# KiCad board woodpecker.kicad_pcb (continued)
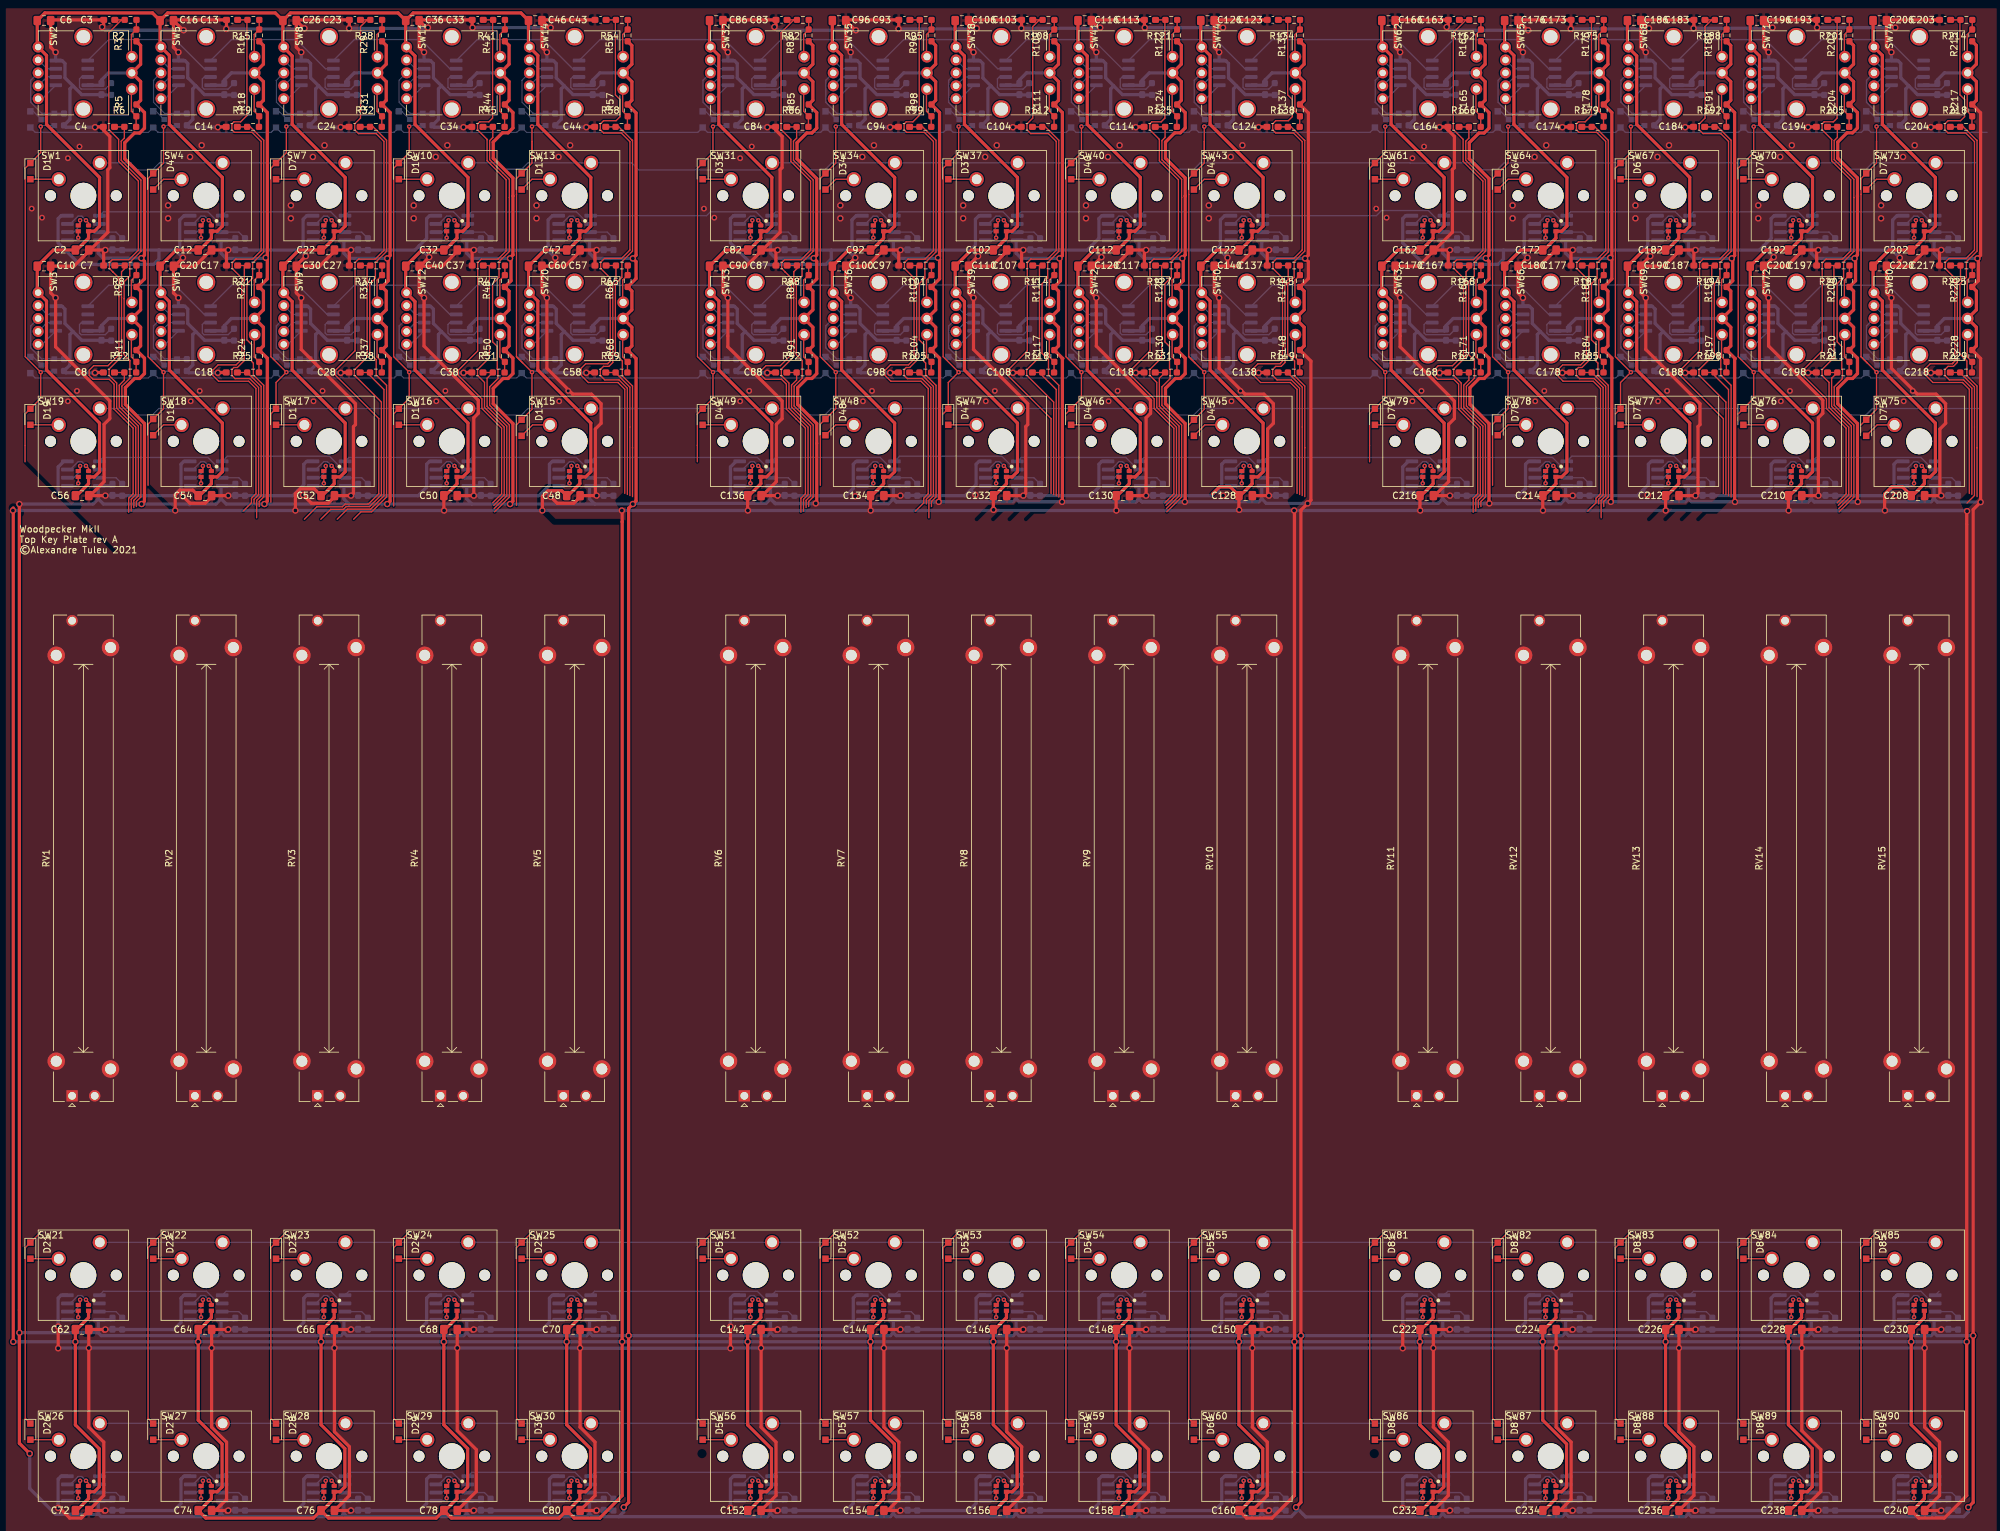
[diagram p0: board, top side]
## Placement (name value [footprint] x y rotation side) (continued)
SW64  Cherry_MX_LED  [SW_Cherry_MX_1.00u_PCB_SMD_LED]  235.2 203.4 0 top
SW65  PEL12T  [PEL12T-4xxxS-S1024]  235.2 222.4 90 top
SW66  PEL12T  [PEL12T-4xxxS-S1024]  235.2 184.4 90 top
SW67  Cherry_MX_LED  [SW_Cherry_MX_1.00u_PCB_SMD_LED]  254.2 203.4 0 top
SW68  PEL12T  [PEL12T-4xxxS-S1024]  254.2 222.4 90 top
SW69  PEL12T  [PEL12T-4xxxS-S1024]  254.2 184.4 90 top
SW70  Cherry_MX_LED  [SW_Cherry_MX_1.00u_PCB_SMD_LED]  273.2 203.4 0 top
SW71  PEL12T  [PEL12T-4xxxS-S1024]  273.2 222.4 90 top
SW72  PEL12T  [PEL12T-4xxxS-S1024]  273.2 184.4 90 top
SW73  Cherry_MX_LED  [SW_Cherry_MX_1.00u_PCB_SMD_LED]  292.2 203.4 0 top
SW74  PEL12T  [PEL12T-4xxxS-S1024]  292.2 222.4 90 top
SW75  Cherry_MX_LED  [SW_Cherry_MX_1.00u_PCB_SMD_LED]  292.2 165.4 0 top
SW76  Cherry_MX_LED  [SW_Cherry_MX_1.00u_PCB_SMD_LED]  273.2 165.4 0 top
SW77  Cherry_MX_LED  [SW_Cherry_MX_1.00u_PCB_SMD_LED]  254.2 165.4 0 top
SW78  Cherry_MX_LED  [SW_Cherry_MX_1.00u_PCB_SMD_LED]  235.2 165.4 0 top
SW79  Cherry_MX_LED  [SW_Cherry_MX_1.00u_PCB_SMD_LED]  216.2 165.4 0 top
SW80  PEL12T  [PEL12T-4xxxS-S1024]  292.2 184.4 90 top
SW81  Cherry_MX_LED  [SW_Cherry_MX_1.00u_PCB_SMD_LED]  216.2 36.4 0 top
SW82  Cherry_MX_LED  [SW_Cherry_MX_1.00u_PCB_SMD_LED]  235.2 36.4 0 top
SW83  Cherry_MX_LED  [SW_Cherry_MX_1.00u_PCB_SMD_LED]  254.2 36.4 0 top
SW84  Cherry_MX_LED  [SW_Cherry_MX_1.00u_PCB_SMD_LED]  273.2 36.4 0 top
SW85  Cherry_MX_LED  [SW_Cherry_MX_1.00u_PCB_SMD_LED]  292.2 36.4 0 top
SW86  Cherry_MX_LED  [SW_Cherry_MX_1.00u_PCB_SMD_LED]  216.2 8.4 0 top
SW87  Cherry_MX_LED  [SW_Cherry_MX_1.00u_PCB_SMD_LED]  235.2 8.4 0 top
SW88  Cherry_MX_LED  [SW_Cherry_MX_1.00u_PCB_SMD_LED]  254.2 8.4 0 top
SW89  Cherry_MX_LED  [SW_Cherry_MX_1.00u_PCB_SMD_LED]  273.2 8.4 0 top
SW90  Cherry_MX_LED  [SW_Cherry_MX_1.00u_PCB_SMD_LED]  292.2 8.4 0 top
U1  TLC5973  [SOIC-8_3.9x4.9mm_P1.27mm]  8.2 198.4 0 bottom
U2  TLC5973  [SOIC-8_3.9x4.9mm_P1.27mm]  6.4 222.4 0 bottom
U3  TLC5973  [SOIC-8_3.9x4.9mm_P1.27mm]  6.4 184.4 0 bottom
U4  TLC5973  [SOIC-8_3.9x4.9mm_P1.27mm]  27.2 198.4 0 bottom
U5  TLC5973  [SOIC-8_3.9x4.9mm_P1.27mm]  25.4 222.4 0 bottom
U6  TLC5973  [SOIC-8_3.9x4.9mm_P1.27mm]  25.4 184.4 0 bottom
U7  TLC5973  [SOIC-8_3.9x4.9mm_P1.27mm]  46.2 198.4 0 bottom
U8  TLC5973  [SOIC-8_3.9x4.9mm_P1.27mm]  44.4 222.4 0 bottom
U9  TLC5973  [SOIC-8_3.9x4.9mm_P1.27mm]  44.4 184.4 0 bottom
U10  TLC5973  [SOIC-8_3.9x4.9mm_P1.27mm]  65.2 198.4 0 bottom
U11  TLC5973  [SOIC-8_3.9x4.9mm_P1.27mm]  63.4 222.4 0 bottom
U12  TLC5973  [SOIC-8_3.9x4.9mm_P1.27mm]  63.4 184.4 0 bottom
U13  TLC5973  [SOIC-8_3.9x4.9mm_P1.27mm]  84.2 198.4 0 bottom
U14  TLC5973  [SOIC-8_3.9x4.9mm_P1.27mm]  82.4 222.4 0 bottom
U15  TLC5973  [SOIC-8_3.9x4.9mm_P1.27mm]  84.2 160.4 0 bottom
U16  TLC5973  [SOIC-8_3.9x4.9mm_P1.27mm]  65.2 160.4 0 bottom
U17  TLC5973  [SOIC-8_3.9x4.9mm_P1.27mm]  46.2 160.4 0 bottom
U18  TLC5973  [SOIC-8_3.9x4.9mm_P1.27mm]  27.2 160.4 0 bottom
U19  TLC5973  [SOIC-8_3.9x4.9mm_P1.27mm]  8.2 160.4 0 bottom
U20  TLC5973  [SOIC-8_3.9x4.9mm_P1.27mm]  82.4 184.4 0 bottom
U21  TLC5973  [SOIC-8_3.9x4.9mm_P1.27mm]  8.2 31.4 0 bottom
U22  TLC5973  [SOIC-8_3.9x4.9mm_P1.27mm]  27.2 31.4 0 bottom
U23  TLC5973  [SOIC-8_3.9x4.9mm_P1.27mm]  46.2 31.4 0 bottom
U24  TLC5973  [SOIC-8_3.9x4.9mm_P1.27mm]  65.2 31.4 0 bottom
U25  TLC5973  [SOIC-8_3.9x4.9mm_P1.27mm]  84.2 31.4 0 bottom
U26  TLC5973  [SOIC-8_3.9x4.9mm_P1.27mm]  8.2 3.4 0 bottom
U27  TLC5973  [SOIC-8_3.9x4.9mm_P1.27mm]  27.2 3.4 0 bottom
U28  TLC5973  [SOIC-8_3.9x4.9mm_P1.27mm]  46.2 3.4 0 bottom
U29  TLC5973  [SOIC-8_3.9x4.9mm_P1.27mm]  65.2 3.4 0 bottom
U30  TLC5973  [SOIC-8_3.9x4.9mm_P1.27mm]  84.2 3.4 0 bottom
U31  TLC5973  [SOIC-8_3.9x4.9mm_P1.27mm]  112.2 198.4 0 bottom
U32  TLC5973  [SOIC-8_3.9x4.9mm_P1.27mm]  110.4 222.4 0 bottom
U33  TLC5973  [SOIC-8_3.9x4.9mm_P1.27mm]  110.4 184.4 0 bottom
U34  TLC5973  [SOIC-8_3.9x4.9mm_P1.27mm]  131.2 198.4 0 bottom
U35  TLC5973  [SOIC-8_3.9x4.9mm_P1.27mm]  129.4 222.4 0 bottom
U36  TLC5973  [SOIC-8_3.9x4.9mm_P1.27mm]  129.4 184.4 0 bottom
U37  TLC5973  [SOIC-8_3.9x4.9mm_P1.27mm]  150.2 198.4 0 bottom
U38  TLC5973  [SOIC-8_3.9x4.9mm_P1.27mm]  148.4 222.4 0 bottom
U39  TLC5973  [SOIC-8_3.9x4.9mm_P1.27mm]  148.4 184.4 0 bottom
U40  TLC5973  [SOIC-8_3.9x4.9mm_P1.27mm]  169.2 198.4 0 bottom
U41  TLC5973  [SOIC-8_3.9x4.9mm_P1.27mm]  167.4 222.4 0 bottom
U42  TLC5973  [SOIC-8_3.9x4.9mm_P1.27mm]  167.4 184.4 0 bottom
U43  TLC5973  [SOIC-8_3.9x4.9mm_P1.27mm]  188.2 198.4 0 bottom
U44  TLC5973  [SOIC-8_3.9x4.9mm_P1.27mm]  186.4 222.4 0 bottom
U45  TLC5973  [SOIC-8_3.9x4.9mm_P1.27mm]  188.2 160.4 0 bottom
U46  TLC5973  [SOIC-8_3.9x4.9mm_P1.27mm]  169.2 160.4 0 bottom
U47  TLC5973  [SOIC-8_3.9x4.9mm_P1.27mm]  150.2 160.4 0 bottom
U48  TLC5973  [SOIC-8_3.9x4.9mm_P1.27mm]  131.2 160.4 0 bottom
U49  TLC5973  [SOIC-8_3.9x4.9mm_P1.27mm]  112.2 160.4 0 bottom
U50  TLC5973  [SOIC-8_3.9x4.9mm_P1.27mm]  186.4 184.4 0 bottom
U51  TLC5973  [SOIC-8_3.9x4.9mm_P1.27mm]  112.2 31.4 0 bottom
U52  TLC5973  [SOIC-8_3.9x4.9mm_P1.27mm]  131.2 31.4 0 bottom
U53  TLC5973  [SOIC-8_3.9x4.9mm_P1.27mm]  150.2 31.4 0 bottom
U54  TLC5973  [SOIC-8_3.9x4.9mm_P1.27mm]  169.2 31.4 0 bottom
U55  TLC5973  [SOIC-8_3.9x4.9mm_P1.27mm]  188.2 31.4 0 bottom
U56  TLC5973  [SOIC-8_3.9x4.9mm_P1.27mm]  112.2 3.4 0 bottom
U57  TLC5973  [SOIC-8_3.9x4.9mm_P1.27mm]  131.2 3.4 0 bottom
U58  TLC5973  [SOIC-8_3.9x4.9mm_P1.27mm]  150.2 3.4 0 bottom
U59  TLC5973  [SOIC-8_3.9x4.9mm_P1.27mm]  169.2 3.4 0 bottom
U60  TLC5973  [SOIC-8_3.9x4.9mm_P1.27mm]  188.2 3.4 0 bottom
U61  TLC5973  [SOIC-8_3.9x4.9mm_P1.27mm]  216.2 198.4 0 bottom
U62  TLC5973  [SOIC-8_3.9x4.9mm_P1.27mm]  214.4 222.4 0 bottom
U63  TLC5973  [SOIC-8_3.9x4.9mm_P1.27mm]  214.4 184.4 0 bottom
U64  TLC5973  [SOIC-8_3.9x4.9mm_P1.27mm]  235.2 198.4 0 bottom
U65  TLC5973  [SOIC-8_3.9x4.9mm_P1.27mm]  233.4 222.4 0 bottom
U66  TLC5973  [SOIC-8_3.9x4.9mm_P1.27mm]  233.4 184.4 0 bottom
U67  TLC5973  [SOIC-8_3.9x4.9mm_P1.27mm]  254.2 198.4 0 bottom
U68  TLC5973  [SOIC-8_3.9x4.9mm_P1.27mm]  252.4 222.4 0 bottom
U69  TLC5973  [SOIC-8_3.9x4.9mm_P1.27mm]  252.4 184.4 0 bottom
U70  TLC5973  [SOIC-8_3.9x4.9mm_P1.27mm]  273.2 198.4 0 bottom
U71  TLC5973  [SOIC-8_3.9x4.9mm_P1.27mm]  271.4 222.4 0 bottom
U72  TLC5973  [SOIC-8_3.9x4.9mm_P1.27mm]  271.4 184.4 0 bottom
U73  TLC5973  [SOIC-8_3.9x4.9mm_P1.27mm]  292.2 198.4 0 bottom
U74  TLC5973  [SOIC-8_3.9x4.9mm_P1.27mm]  290.4 222.4 0 bottom
U75  TLC5973  [SOIC-8_3.9x4.9mm_P1.27mm]  292.2 160.4 0 bottom
U76  TLC5973  [SOIC-8_3.9x4.9mm_P1.27mm]  273.2 160.4 0 bottom
U77  TLC5973  [SOIC-8_3.9x4.9mm_P1.27mm]  254.2 160.4 0 bottom
U78  TLC5973  [SOIC-8_3.9x4.9mm_P1.27mm]  235.2 160.4 0 bottom
U79  TLC5973  [SOIC-8_3.9x4.9mm_P1.27mm]  216.2 160.4 0 bottom
U80  TLC5973  [SOIC-8_3.9x4.9mm_P1.27mm]  290.4 184.4 0 bottom
U81  TLC5973  [SOIC-8_3.9x4.9mm_P1.27mm]  216.2 31.4 0 bottom
U82  TLC5973  [SOIC-8_3.9x4.9mm_P1.27mm]  235.2 31.4 0 bottom
U83  TLC5973  [SOIC-8_3.9x4.9mm_P1.27mm]  254.2 31.4 0 bottom
U84  TLC5973  [SOIC-8_3.9x4.9mm_P1.27mm]  273.2 31.4 0 bottom
U85  TLC5973  [SOIC-8_3.9x4.9mm_P1.27mm]  292.2 31.4 0 bottom
U86  TLC5973  [SOIC-8_3.9x4.9mm_P1.27mm]  216.2 3.4 0 bottom
U87  TLC5973  [SOIC-8_3.9x4.9mm_P1.27mm]  235.2 3.4 0 bottom
U88  TLC5973  [SOIC-8_3.9x4.9mm_P1.27mm]  254.2 3.4 0 bottom
U89  TLC5973  [SOIC-8_3.9x4.9mm_P1.27mm]  273.2 3.4 0 bottom
U90  TLC5973  [SOIC-8_3.9x4.9mm_P1.27mm]  292.2 3.4 0 bottom

## Footprints (pads in the part's own frame, mm; a bottom-side part is the same pattern mirrored in y, then rotated)
C_0603_1608Metric_Pad1.08x0.95mm_HandSolder
  rrect 1.075x0.95 smd: 1(-0.863,0) 2(0.863,0)
C_0805_2012Metric_Pad1.18x1.45mm_HandSolder
  rrect 1.175x1.45 smd: 1(-1.038,0) 2(1.038,0)
D_SOD-323_HandSoldering
  rect 1x1 smd: 1(-1.25,0) 2(1.25,0)
PEL12T-4xxxS-S1024
  oval 2.7x2.8 hole 2x2.1 unplated: (-5.6,0) (5.6,0)
  round 1.7 hole 1: 1(-4,7) 2(-2,7) 3(0,7) 4(2,7) 5(4,7)
  round 1.8 hole 1.1: A(-2.5,-7.5) B(2.5,-7.5) C(0,-7.5)
Potentiometer_Bourns_PTA6043_Single_Slide
  rect 1.75x1.75 hole 1.2: 1(-36.75,1.75)
  round 1.75 hole 1.2: 2(-36.75,-1.75) 3(36.75,1.75)
  round 2.7 hole 1.7: MP(-32.6,-4.2) MP(-31.4,4.2) MP(31.4,4.2) MP(32.6,-4.2)
R_0603_1608Metric_Pad0.98x0.95mm_HandSolder
  rrect 0.975x0.95 smd: 1(-0.912,0) 2(0.912,0)
SOIC-8_3.9x4.9mm_P1.27mm
  rrect 1.95x0.6 smd: 1(-2.475,1.905) 2(-2.475,0.635) 3(-2.475,-0.635) 4(-2.475,-1.905) 5(2.475,-1.905) 6(2.475,-0.635) 7(2.475,0.635) 8(2.475,1.905)
SOT-23
  rect 0.9x0.8 smd: 1(-1,0.95) 2(-1,-0.95) 3(1,0)
SW_Cherry_MX_1.00u_PCB_SMD_LED
  round 1.7 hole 1.7 unplated: (-5.08,0) (5.08,0)
  round 4 hole 4 unplated: (0,0)
  rrect 0.8x0.65 smd: 1(0.8,-4.6)
  rect 0.8x0.65 smd: 2(-0.8,-4.6) 3(0.8,-5.5) 4(-0.8,-5.5)
  round 2.2 hole 1.5: 5(2.54,5.08) 6(-3.81,2.54)

## Nets
+3.3VA: RV1.3 RV2.3 RV3.3 RV4.3 RV5.3
+3V3: C1.1 C5.1 C9.1 C11.1 C15.1 C19.1 C21.1 C25.1 C29.1 C31.1 C35.1 C39.1 C41.1 C45.1 C47.1 C49.1 C51.1 C53.1 C55.1 C59.1 C61.1 C63.1 C65.1 C67.1 C69.1 C71.1 C73.1 C75.1 C77.1 C79.1 C81.1 C85.1 C89.1 C91.1 C95.1 C99.1 C101.1 C105.1 C109.1 C111.1 C115.1 C119.1 C121.1 C125.1 C127.1 C129.1 C131.1 C133.1 C135.1 C139.1 C141.1 C143.1 C145.1 C147.1 C149.1 C151.1 C153.1 C155.1 C157.1 C159.1 C161.1 C165.1 C169.1 C171.1 C175.1 C179.1 C181.1 C185.1 C189.1 C191.1 C195.1 C199.1 C201.1 C205.1 C207.1 C209.1 C211.1 C213.1 C215.1 C219.1 C221.1 C223.1 C225.1 C227.1 C229.1 C231.1 C233.1 C235.1 C237.1 C239.1 R3.1 R5.1 R9.1 R11.1 R16.1 R18.1 R22.1 R24.1 R29.1 R31.1 R35.1 R37.1 R42.1 R44.1 R48.1 R50.1 R55.1 R57.1 R66.1 R68.1 R83.1 R85.1 R89.1 R91.1 R96.1 R98.1 R102.1 R104.1 R109.1 R111.1 R115.1 R117.1 R122.1 R124.1 R128.1 R130.1 R135.1 R137.1 R146.1 R148.1 R163.1 R165.1 R169.1 R171.1 R176.1 R178.1 R182.1 R184.1 R189.1 R191.1 R195.1 R197.1 R202.1 R204.1 R208.1 R210.1 R215.1 R217.1 R226.1 R228.1 SW2.C SW3.C SW5.C SW6.C SW8.C SW9.C SW11.C SW12.C SW14.C SW20.C SW32.C SW33.C SW35.C SW36.C SW38.C SW39.C SW41.C SW42.C SW44.C SW50.C SW62.C SW63.C SW65.C SW66.C SW68.C SW69.C SW71.C SW72.C SW74.C SW80.C U1.8 U2.8 U3.8 U4.8 U5.8 U6.8 U7.8 U8.8 U9.8 U10.8 U11.8 U12.8 U13.8 U14.8 U15.8 U16.8 U17.8 U18.8 U19.8 U20.8 U21.8 U22.8 U23.8 U24.8 U25.8 U26.8 U27.8 U28.8 U29.8 U30.8 U31.8 U32.8 U33.8 U34.8 U35.8 U36.8 U37.8 U38.8 U39.8 U40.8 U41.8 U42.8 U43.8 U44.8 U45.8 U46.8 U47.8 U48.8 U49.8 U50.8 U51.8 U52.8 U53.8 U54.8 U55.8 U56.8 U57.8 U58.8 U59.8 U60.8 U61.8 U62.8 U63.8 U64.8 U65.8 U66.8 U67.8 U68.8 U69.8 U70.8 U71.8 U72.8 U73.8 U74.8 U75.8 U76.8 U77.8 U78.8 U79.8 U80.8 U81.8 U82.8 U83.8 U84.8 U85.8 U86.8 U87.8 U88.8 U89.8 U90.8
GND: C1.2 C2.2 C3.2 C4.2 C5.2 C6.2 C7.2 C8.2 C9.2 C10.2 C11.2 C12.2 C13.2 C14.2 C15.2 C16.2 C17.2 C18.2 C19.2 C20.2 C21.2 C22.2 C23.2 C24.2 C25.2 C26.2 C27.2 C28.2 C29.2 C30.2 C31.2 C32.2 C33.2 C34.2 C35.2 C36.2 C37.2 C38.2 C39.2 C40.2 C41.2 C42.2 C43.2 C44.2 C45.2 C46.2 C47.2 C48.2 C49.2 C50.2 C51.2 C52.2 C53.2 C54.2 C55.2 C56.2 C57.2 C58.2 C59.2 C60.2 C61.2 C62.2 C63.2 C64.2 C65.2 C66.2 C67.2 C68.2 C69.2 C70.2 C71.2 C72.2 C73.2 C74.2 C75.2 C76.2 C77.2 C78.2 C79.2 C80.2 C81.2 C82.2 C83.2 C84.2 C85.2 C86.2 C87.2 C88.2 C89.2 C90.2 C91.2 C92.2 C93.2 C94.2 C95.2 C96.2 C97.2 C98.2 C99.2 C100.2 C101.2 C102.2 C103.2 C104.2 C105.2 C106.2 C107.2 C108.2 C109.2 C110.2 C111.2 C112.2 C113.2 C114.2 C115.2 C116.2 C117.2 C118.2 C119.2 C120.2 C121.2 C122.2 C123.2 C124.2 C125.2 C126.2 C127.2 C128.2 C129.2 C130.2 C131.2 C132.2 C133.2 C134.2 C135.2 C136.2 C137.2 C138.2 C139.2 C140.2 C141.2 C142.2 C143.2 C144.2 C145.2 C146.2 C147.2 C148.2 C149.2 C150.2 C151.2 C152.2 C153.2 C154.2 C155.2 C156.2 C157.2 C158.2 C159.2 C160.2 C161.2 C162.2 C163.2 C164.2 C165.2 C166.2 C167.2 C168.2 C169.2 C170.2 C171.2 C172.2 C173.2 C174.2 C175.2 C176.2 C177.2 C178.2 C179.2 C180.2 C181.2 C182.2 C183.2 C184.2 C185.2 C186.2 C187.2 C188.2 C189.2 C190.2 C191.2 C192.2 C193.2 C194.2 C195.2 C196.2 C197.2 C198.2 C199.2 C200.2 C201.2 C202.2 C203.2 C204.2 C205.2 C206.2 C207.2 C208.2 C209.2 C210.2 C211.2 C212.2 C213.2 C214.2 C215.2 C216.2 C217.2 C218.2 C219.2 C220.2 C221.2 C222.2 C223.2 C224.2 C225.2 C226.2 C227.2 C228.2 C229.2 C230.2 C231.2 C232.2 C233.2 C234.2 C235.2 C236.2 C237.2 C238.2 C239.2 C240.2 R1.2 R4.2 R7.2 R10.2 R13.2 R14.2 R17.2 R20.2 R23.2 R26.2 R27.2 R30.2 R33.2 R36.2 R39.2 R40.2 R43.2 R46.2 R49.2 R52.2 R53.2 R56.2 R59.2 R60.2 R61.2 R62.2 R63.2 R64.2 R67.2 R70.2 R71.2 R72.2 R73.2 R74.2 R75.2 R76.2 R77.2 R78.2 R79.2 R80.2 R81.2 R84.2 R87.2 R90.2 R93.2 R94.2 R97.2 R100.2 R103.2 R106.2 R107.2 R110.2 R113.2 R116.2 R119.2 R120.2 R123.2 R126.2 R129.2 R132.2 R133.2 R136.2 R139.2 R140.2 R141.2 R142.2 R143.2 R144.2 R147.2 R150.2 R151.2 R152.2 R153.2 R154.2 R155.2 R156.2 R157.2 R158.2 R159.2 R160.2 R161.2 R164.2 R167.2 R170.2 R173.2 R174.2 R177.2 R180.2 R183.2 R186.2 R187.2 R190.2 R193.2 R196.2 R199.2 R200.2 R203.2 R206.2 R209.2 R212.2 R213.2 R216.2 R219.2 R220.2 R221.2 R222.2 R223.2 R224.2 R227.2 R230.2 R231.2 R232.2 R233.2 R234.2 R235.2 R236.2 R237.2 R238.2 R239.2 R240.2 RV1.1 RV2.1 RV3.1 RV4.1 RV5.1 U1.4 U2.4 U3.4 U4.4 U5.4 U6.4 U7.4 U8.4 U9.4 U10.4 U11.4 U12.4 U13.4 U14.4 U15.4 U16.4 U17.4 U18.4 U19.4 U20.4 U21.4 U22.4 U23.4 U24.4 U25.4 U26.4 U27.4 U28.4 U29.4 U30.4 U31.4 U32.4 U33.4 U34.4 U35.4 U36.4 U37.4 U38.4 U39.4 U40.4 U41.4 U42.4 U43.4 U44.4 U45.4 U46.4 U47.4 U48.4 U49.4 U50.4 U51.4 U52.4 U53.4 U54.4 U55.4 U56.4 U57.4 U58.4 U59.4 U60.4 U61.4 U62.4 U63.4 U64.4 U65.4 U66.4 U67.4 U68.4 U69.4 U70.4 U71.4 U72.4 U73.4 U74.4 U75.4 U76.4 U77.4 U78.4 U79.4 U80.4 U81.4 U82.4 U83.4 U84.4 U85.4 U86.4 U87.4 U88.4 U89.4 U90.4
/BottomSection_1/C1: D1.1 D19.1 D21.1 D26.1 Q1.2 Q2.2
/BottomSection_1/C2: D4.1 D18.1 D22.1 D27.1 Q3.2 Q4.2
/BottomSection_1/C3: D7.1 D17.1 D23.1 D28.1 Q5.2 Q6.2
/BottomSection_1/C4: D10.1 D16.1 D24.1 D29.1 Q7.2 Q8.2
/BottomSection_1/C5: D13.1 D15.1 D25.1 D30.1 Q9.2 Q10.2
/BottomSection_1/MX_B_2/DI: U21.5 U22.6
/BottomSection_1/MX_B_3/DI: U22.5 U23.6
/BottomSection_1/MX_B_4/DI: U23.5 U24.6
/BottomSection_1/MX_B_5/DI: U24.5 U25.6
/BottomSection_1/MX_B_7/DI: U26.5 U27.6
/BottomSection_1/MX_B_8/DI: U27.5 U28.6
/BottomSection_1/MX_B_9/DI: U28.5 U29.6
/BottomSection_1/MX_B_10/DI: U29.5 U30.6
/BottomSection_1/R5: SW21.5 SW22.5 SW23.5 SW24.5 SW25.5 SW51.5 SW52.5 SW53.5 SW54.5 SW55.5 SW81.5 SW82.5 SW83.5 SW84.5 SW85.5
/BottomSection_1/R6: SW26.5 SW27.5 SW28.5 SW29.5 SW30.5 SW56.5 SW57.5 SW58.5 SW59.5 SW60.5 SW86.5 SW87.5 SW88.5 SW89.5 SW90.5
/BottomSection_2/C1: D31.1 D49.1 D51.1 D56.1 Q11.2 Q12.2
/BottomSection_2/C2: D34.1 D48.1 D52.1 D57.1 Q13.2 Q14.2
/BottomSection_2/C3: D37.1 D47.1 D53.1 D58.1 Q15.2 Q16.2
/BottomSection_2/C4: D40.1 D46.1 D54.1 D59.1 Q17.2 Q18.2
/BottomSection_2/C5: D43.1 D45.1 D55.1 D60.1 Q19.2 Q20.2
/BottomSection_2/DI5: U25.5 U51.6
/BottomSection_2/DI6: U30.5 U56.6
/BottomSection_2/MX_B_2/DI: U51.5 U52.6
/BottomSection_2/MX_B_3/DI: U52.5 U53.6
/BottomSection_2/MX_B_4/DI: U53.5 U54.6
/BottomSection_2/MX_B_5/DI: U54.5 U55.6
/BottomSection_2/MX_B_7/DI: U56.5 U57.6
/BottomSection_2/MX_B_8/DI: U57.5 U58.6
/BottomSection_2/MX_B_9/DI: U58.5 U59.6
/BottomSection_2/MX_B_10/DI: U59.5 U60.6
/BottomSection_3/C1: D61.1 D79.1 D81.1 D86.1 Q21.2 Q22.2
/BottomSection_3/C2: D64.1 D78.1 D82.1 D87.1 Q23.2 Q24.2
/BottomSection_3/C3: D67.1 D77.1 D83.1 D88.1 Q25.2 Q26.2
/BottomSection_3/C4: D70.1 D76.1 D84.1 D89.1 Q27.2 Q28.2
/BottomSection_3/C5: D73.1 D75.1 D85.1 D90.1 Q29.2 Q30.2
/BottomSection_3/DI5: U55.5 U81.6
/BottomSection_3/DI6: U60.5 U86.6
/BottomSection_3/MX_B_2/DI: U81.5 U82.6
/BottomSection_3/MX_B_3/DI: U82.5 U83.6
/BottomSection_3/MX_B_4/DI: U83.5 U84.6
/BottomSection_3/MX_B_5/DI: U84.5 U85.6
/BottomSection_3/MX_B_7/DI: U86.5 U87.6
/BottomSection_3/MX_B_8/DI: U87.5 U88.6
/BottomSection_3/MX_B_9/DI: U88.5 U89.6
/BottomSection_3/MX_B_10/DI: U89.5 U90.6
/TopSection_1/MX_2/DI: U1.5 U4.6
/TopSection_1/MX_3/DI: U4.5 U7.6
/TopSection_1/MX_4/DI: U7.5 U10.6
/TopSection_1/MX_5/DI: U10.5 U13.6
/TopSection_1/MX_7/DI: U18.6 U19.5
/TopSection_1/MX_8/DI: U17.6 U18.5
/TopSection_1/MX_9/DI: U16.6 U17.5
/TopSection_1/MX_10/DI: U15.6 U16.5
/TopSection_1/PEL12T_2/DI: U2.5 U5.6
/TopSection_1/PEL12T_3/DI: U5.5 U8.6
/TopSection_1/PEL12T_4/DI: U8.5 U11.6
/TopSection_1/PEL12T_5/DI: U11.5 U14.6
/TopSection_1/PEL12T_7/DI: U3.5 U6.6
/TopSection_1/PEL12T_8/DI: U6.5 U9.6
/TopSection_1/PEL12T_9/DI: U9.5 U12.6
/TopSection_1/PEL12T_10/DI: U12.5 U20.6
/TopSection_1/QA1: C4.1 R6.1
/TopSection_1/QA2: C14.1 R19.1
/TopSection_1/QA3: C24.1 R32.1
/TopSection_1/QA4: C34.1 R45.1
/TopSection_1/QA5: C44.1 R58.1
/TopSection_1/QA6: C8.1 R12.1
/TopSection_1/QA7: C18.1 R25.1
/TopSection_1/QA8: C28.1 R38.1
/TopSection_1/QA9: C38.1 R51.1
/TopSection_1/QA10: C58.1 R69.1
/TopSection_1/QB1: C3.1 R2.2
/TopSection_1/QB2: C13.1 R15.2
/TopSection_1/QB3: C23.1 R28.2
/TopSection_1/QB4: C33.1 R41.2
/TopSection_1/QB5: C43.1 R54.2
/TopSection_1/QB6: C7.1 R8.2
/TopSection_1/QB7: C17.1 R21.2
/TopSection_1/QB8: C27.1 R34.2
/TopSection_1/QB9: C37.1 R47.2
/TopSection_1/QB10: C57.1 R65.2
/TopSection_1/R1: D2.2 D5.2 D8.2 D11.2 D14.2 D32.2 D35.2 D38.2 D41.2 D44.2 D62.2 D65.2 D68.2 D71.2 D74.2
/TopSection_1/R2: SW1.5 SW4.5 SW7.5 SW10.5 SW13.5 SW31.5 SW34.5 SW37.5 SW40.5 SW43.5 SW61.5 SW64.5 SW67.5 SW70.5 SW73.5
/TopSection_1/R3: D3.2 D6.2 D9.2 D12.2 D20.2 D33.2 D36.2 D39.2 D42.2 D50.2 D63.2 D66.2 D69.2 D72.2 D80.2
/TopSection_1/R4: SW15.5 SW16.5 SW17.5 SW18.5 SW19.5 SW45.5 SW46.5 SW47.5 SW48.5 SW49.5 SW75.5 SW76.5 SW77.5 SW78.5 SW79.5
/TopSection_2/DI1: U14.5 U32.6
/TopSection_2/DI2: U13.5 U31.6
/TopSection_2/DI3: U20.5 U33.6
/TopSection_2/DI4: U15.5 U49.6
/TopSection_2/MX_2/DI: U31.5 U34.6
/TopSection_2/MX_3/DI: U34.5 U37.6
/TopSection_2/MX_4/DI: U37.5 U40.6
/TopSection_2/MX_5/DI: U40.5 U43.6
/TopSection_2/MX_7/DI: U48.6 U49.5
/TopSection_2/MX_8/DI: U47.6 U48.5
/TopSection_2/MX_9/DI: U46.6 U47.5
/TopSection_2/MX_10/DI: U45.6 U46.5
/TopSection_2/PEL12T_2/DI: U32.5 U35.6
/TopSection_2/PEL12T_3/DI: U35.5 U38.6
/TopSection_2/PEL12T_4/DI: U38.5 U41.6
/TopSection_2/PEL12T_5/DI: U41.5 U44.6
/TopSection_2/PEL12T_7/DI: U33.5 U36.6
/TopSection_2/PEL12T_8/DI: U36.5 U39.6
/TopSection_2/PEL12T_9/DI: U39.5 U42.6
/TopSection_2/PEL12T_10/DI: U42.5 U50.6
/TopSection_2/QA1: C84.1 R86.1
/TopSection_2/QA2: C94.1 R99.1
/TopSection_2/QA3: C104.1 R112.1
/TopSection_2/QA4: C114.1 R125.1
/TopSection_2/QA5: C124.1 R138.1
/TopSection_2/QA6: C88.1 R92.1
/TopSection_2/QA7: C98.1 R105.1
/TopSection_2/QA8: C108.1 R118.1
/TopSection_2/QA9: C118.1 R131.1
/TopSection_2/QA10: C138.1 R149.1
/TopSection_2/QB1: C83.1 R82.2
/TopSection_2/QB2: C93.1 R95.2
/TopSection_2/QB3: C103.1 R108.2
/TopSection_2/QB4: C113.1 R121.2
/TopSection_2/QB5: C123.1 R134.2
/TopSection_2/QB6: C87.1 R88.2
/TopSection_2/QB7: C97.1 R101.2
/TopSection_2/QB8: C107.1 R114.2
/TopSection_2/QB9: C117.1 R127.2
/TopSection_2/QB10: C137.1 R145.2
/TopSection_3/DI1: U44.5 U62.6
/TopSection_3/DI2: U43.5 U61.6
/TopSection_3/DI3: U50.5 U63.6
/TopSection_3/DI4: U45.5 U79.6
/TopSection_3/MX_2/DI: U61.5 U64.6
/TopSection_3/MX_3/DI: U64.5 U67.6
/TopSection_3/MX_4/DI: U67.5 U70.6
/TopSection_3/MX_5/DI: U70.5 U73.6
/TopSection_3/MX_7/DI: U78.6 U79.5
/TopSection_3/MX_8/DI: U77.6 U78.5
/TopSection_3/MX_9/DI: U76.6 U77.5
/TopSection_3/MX_10/DI: U75.6 U76.5
/TopSection_3/PEL12T_2/DI: U62.5 U65.6
/TopSection_3/PEL12T_3/DI: U65.5 U68.6
/TopSection_3/PEL12T_4/DI: U68.5 U71.6
/TopSection_3/PEL12T_5/DI: U71.5 U74.6
/TopSection_3/PEL12T_7/DI: U63.5 U66.6
/TopSection_3/PEL12T_8/DI: U66.5 U69.6
/TopSection_3/PEL12T_9/DI: U69.5 U72.6
/TopSection_3/PEL12T_10/DI: U72.5 U80.6
/TopSection_3/QA1: C164.1 R166.1
/TopSection_3/QA2: C174.1 R179.1
/TopSection_3/QA3: C184.1 R192.1
/TopSection_3/QA4: C194.1 R205.1
/TopSection_3/QA5: C204.1 R218.1
/TopSection_3/QA6: C168.1 R172.1
/TopSection_3/QA7: C178.1 R185.1
/TopSection_3/QA8: C188.1 R198.1
/TopSection_3/QA9: C198.1 R211.1
/TopSection_3/QA10: C218.1 R229.1
/TopSection_3/QB1: C163.1 R162.2
/TopSection_3/QB2: C173.1 R175.2
/TopSection_3/QB3: C183.1 R188.2
/TopSection_3/QB4: C193.1 R201.2
/TopSection_3/QB5: C203.1 R214.2
/TopSection_3/QB6: C167.1 R168.2
/TopSection_3/QB7: C177.1 R181.2
/TopSection_3/QB8: C187.1 R194.2
/TopSection_3/QB9: C197.1 R207.2
/TopSection_3/QB10: C217.1 R225.2
VLED: C2.1 C6.1 C10.1 C12.1 C16.1 C20.1 C22.1 C26.1 C30.1 C32.1 C36.1 C40.1 C42.1 C46.1 C48.1 C50.1 C52.1 C54.1 C56.1 C60.1 C62.1 C64.1 C66.1 C68.1 C70.1 C72.1 C74.1 C76.1 C78.1 C80.1 C82.1 C86.1 C90.1 C92.1 C96.1 C100.1 C102.1 C106.1 C110.1 C112.1 C116.1 C120.1 C122.1 C126.1 C128.1 C130.1 C132.1 C134.1 C136.1 C140.1 C142.1 C144.1 C146.1 C148.1 C150.1 C152.1 C154.1 C156.1 C158.1 C160.1 C162.1 C166.1 C170.1 C172.1 C176.1 C180.1 C182.1 C186.1 C190.1 C192.1 C196.1 C200.1 C202.1 C206.1 C208.1 C210.1 C212.1 C214.1 C216.1 C220.1 C222.1 C224.1 C226.1 C228.1 C230.1 C232.1 C234.1 C236.1 C238.1 C240.1 SW1.3 SW2.5 SW3.5 SW4.3 SW5.5 SW6.5 SW7.3 SW8.5 SW9.5 SW10.3 SW11.5 SW12.5 SW13.3 SW14.5 SW15.3 SW16.3 SW17.3 SW18.3 SW19.3 SW20.5 SW21.3 SW22.3 SW23.3 SW24.3 SW25.3 SW26.3 SW27.3 SW28.3 SW29.3 SW30.3 SW31.3 SW32.5 SW33.5 SW34.3 SW35.5 SW36.5 SW37.3 SW38.5 SW39.5 SW40.3 SW41.5 SW42.5 SW43.3 SW44.5 SW45.3 SW46.3 SW47.3 SW48.3 SW49.3 SW50.5 SW51.3 SW52.3 SW53.3 SW54.3 SW55.3 SW56.3 SW57.3 SW58.3 SW59.3 SW60.3 SW61.3 SW62.5 SW63.5 SW64.3 SW65.5 SW66.5 SW67.3 SW68.5 SW69.5 SW70.3 SW71.5 SW72.5 SW73.3 SW74.5 SW75.3 SW76.3 SW77.3 SW78.3 SW79.3 SW80.5 SW81.3 SW82.3 SW83.3 SW84.3 SW85.3 SW86.3 SW87.3 SW88.3 SW89.3 SW90.3
Net-(D1-Pad2): D1.2 SW1.6
Net-(D2-Pad1): D2.1 Q1.3
Net-(D3-Pad1): D3.1 Q2.3
Net-(D4-Pad2): D4.2 SW4.6
Net-(D5-Pad1): D5.1 Q3.3
Net-(D6-Pad1): D6.1 Q4.3
Net-(D7-Pad2): D7.2 SW7.6
Net-(D8-Pad1): D8.1 Q5.3
Net-(D9-Pad1): D9.1 Q6.3
Net-(D10-Pad2): D10.2 SW10.6
Net-(D11-Pad1): D11.1 Q7.3
Net-(D12-Pad1): D12.1 Q8.3
Net-(D13-Pad2): D13.2 SW13.6
Net-(D14-Pad1): D14.1 Q9.3
Net-(D15-Pad2): D15.2 SW15.6
Net-(D16-Pad2): D16.2 SW16.6
Net-(D17-Pad2): D17.2 SW17.6
Net-(D18-Pad2): D18.2 SW18.6
Net-(D19-Pad2): D19.2 SW19.6
Net-(D20-Pad1): D20.1 Q10.3
Net-(D21-Pad2): D21.2 SW21.6
Net-(D22-Pad2): D22.2 SW22.6
Net-(D23-Pad2): D23.2 SW23.6
Net-(D24-Pad2): D24.2 SW24.6
Net-(D25-Pad2): D25.2 SW25.6
Net-(D26-Pad2): D26.2 SW26.6
Net-(D27-Pad2): D27.2 SW27.6
Net-(D28-Pad2): D28.2 SW28.6
Net-(D29-Pad2): D29.2 SW29.6
Net-(D30-Pad2): D30.2 SW30.6
Net-(D31-Pad2): D31.2 SW31.6
Net-(D32-Pad1): D32.1 Q11.3
Net-(D33-Pad1): D33.1 Q12.3
Net-(D34-Pad2): D34.2 SW34.6
Net-(D35-Pad1): D35.1 Q13.3
Net-(D36-Pad1): D36.1 Q14.3
Net-(D37-Pad2): D37.2 SW37.6
Net-(D38-Pad1): D38.1 Q15.3
Net-(D39-Pad1): D39.1 Q16.3
Net-(D40-Pad2): D40.2 SW40.6
Net-(D41-Pad1): D41.1 Q17.3
Net-(D42-Pad1): D42.1 Q18.3
Net-(D43-Pad2): D43.2 SW43.6
Net-(D44-Pad1): D44.1 Q19.3
Net-(D45-Pad2): D45.2 SW45.6
Net-(D46-Pad2): D46.2 SW46.6
Net-(D47-Pad2): D47.2 SW47.6
Net-(D48-Pad2): D48.2 SW48.6
Net-(D49-Pad2): D49.2 SW49.6
Net-(D50-Pad1): D50.1 Q20.3
Net-(D51-Pad2): D51.2 SW51.6
Net-(D52-Pad2): D52.2 SW52.6
Net-(D53-Pad2): D53.2 SW53.6
Net-(D54-Pad2): D54.2 SW54.6
Net-(D55-Pad2): D55.2 SW55.6
Net-(D56-Pad2): D56.2 SW56.6
Net-(D57-Pad2): D57.2 SW57.6
Net-(D58-Pad2): D58.2 SW58.6
Net-(D59-Pad2): D59.2 SW59.6
Net-(D60-Pad2): D60.2 SW60.6
Net-(D61-Pad2): D61.2 SW61.6
Net-(D62-Pad1): D62.1 Q21.3
Net-(D63-Pad1): D63.1 Q22.3
Net-(D64-Pad2): D64.2 SW64.6
Net-(D65-Pad1): D65.1 Q23.3
Net-(D66-Pad1): D66.1 Q24.3
Net-(D67-Pad2): D67.2 SW67.6
Net-(D68-Pad1): D68.1 Q25.3
Net-(D69-Pad1): D69.1 Q26.3
Net-(D70-Pad2): D70.2 SW70.6
Net-(D71-Pad1): D71.1 Q27.3
Net-(D72-Pad1): D72.1 Q28.3
Net-(D73-Pad2): D73.2 SW73.6
Net-(D74-Pad1): D74.1 Q29.3
Net-(D75-Pad2): D75.2 SW75.6
Net-(D76-Pad2): D76.2 SW76.6
Net-(D77-Pad2): D77.2 SW77.6
Net-(D78-Pad2): D78.2 SW78.6
Net-(D79-Pad2): D79.2 SW79.6
Net-(D80-Pad1): D80.1 Q30.3
Net-(D81-Pad2): D81.2 SW81.6
Net-(D82-Pad2): D82.2 SW82.6
Net-(D83-Pad2): D83.2 SW83.6
Net-(D84-Pad2): D84.2 SW84.6
Net-(D85-Pad2): D85.2 SW85.6
Net-(D86-Pad2): D86.2 SW86.6
Net-(D87-Pad2): D87.2 SW87.6
Net-(D88-Pad2): D88.2 SW88.6
Net-(D89-Pad2): D89.2 SW89.6
Net-(D90-Pad2): D90.2 SW90.6
Net-(Q1-Pad1): Q1.1 R7.1 SW2.3
Net-(Q2-Pad1): Q2.1 R13.1 SW3.3
Net-(Q3-Pad1): Q3.1 R20.1 SW5.3
Net-(Q4-Pad1): Q4.1 R26.1 SW6.3
Net-(Q5-Pad1): Q5.1 R33.1 SW8.3
Net-(Q6-Pad1): Q6.1 R39.1 SW9.3
Net-(Q7-Pad1): Q7.1 R46.1 SW11.3
Net-(Q8-Pad1): Q8.1 R52.1 SW12.3
Net-(Q9-Pad1): Q9.1 R59.1 SW14.3
Net-(Q10-Pad1): Q10.1 R70.1 SW20.3
Net-(Q11-Pad1): Q11.1 R87.1 SW32.3
Net-(Q12-Pad1): Q12.1 R93.1 SW33.3
Net-(Q13-Pad1): Q13.1 R100.1 SW35.3
Net-(Q14-Pad1): Q14.1 R106.1 SW36.3
Net-(Q15-Pad1): Q15.1 R113.1 SW38.3
Net-(Q16-Pad1): Q16.1 R119.1 SW39.3
Net-(Q17-Pad1): Q17.1 R126.1 SW41.3
Net-(Q18-Pad1): Q18.1 R132.1 SW42.3
Net-(Q19-Pad1): Q19.1 R139.1 SW44.3
Net-(Q20-Pad1): Q20.1 R150.1 SW50.3
Net-(Q21-Pad1): Q21.1 R167.1 SW62.3
Net-(Q22-Pad1): Q22.1 R173.1 SW63.3
Net-(Q23-Pad1): Q23.1 R180.1 SW65.3
Net-(Q24-Pad1): Q24.1 R186.1 SW66.3
Net-(Q25-Pad1): Q25.1 R193.1 SW68.3
Net-(Q26-Pad1): Q26.1 R199.1 SW69.3
Net-(Q27-Pad1): Q27.1 R206.1 SW71.3
Net-(Q28-Pad1): Q28.1 R212.1 SW72.3
Net-(Q29-Pad1): Q29.1 R219.1 SW74.3
Net-(Q30-Pad1): Q30.1 R230.1 SW80.3
Net-(R1-Pad1): R1.1 U1.7
Net-(R2-Pad1): R2.1 R3.2 SW2.B
Net-(R4-Pad1): R4.1 U2.7
Net-(R5-Pad2): R5.2 R6.2 SW2.A
Net-(R8-Pad1): R8.1 R9.2 SW3.B
Net-(R10-Pad1): R10.1 U3.7
Net-(R11-Pad2): R11.2 R12.2 SW3.A
Net-(R14-Pad1): R14.1 U4.7
Net-(R15-Pad1): R15.1 R16.2 SW5.B
Net-(R17-Pad1): R17.1 U5.7
Net-(R18-Pad2): R18.2 R19.2 SW5.A
Net-(R21-Pad1): R21.1 R22.2 SW6.B
Net-(R23-Pad1): R23.1 U6.7
Net-(R24-Pad2): R24.2 R25.2 SW6.A
Net-(R27-Pad1): R27.1 U7.7
Net-(R28-Pad1): R28.1 R29.2 SW8.B
Net-(R30-Pad1): R30.1 U8.7
Net-(R31-Pad2): R31.2 R32.2 SW8.A
Net-(R34-Pad1): R34.1 R35.2 SW9.B
Net-(R36-Pad1): R36.1 U9.7
Net-(R37-Pad2): R37.2 R38.2 SW9.A
Net-(R40-Pad1): R40.1 U10.7
Net-(R41-Pad1): R41.1 R42.2 SW11.B
Net-(R43-Pad1): R43.1 U11.7
Net-(R44-Pad2): R44.2 R45.2 SW11.A
Net-(R47-Pad1): R47.1 R48.2 SW12.B
Net-(R49-Pad1): R49.1 U12.7
Net-(R50-Pad2): R50.2 R51.2 SW12.A
Net-(R53-Pad1): R53.1 U13.7
Net-(R54-Pad1): R54.1 R55.2 SW14.B
Net-(R56-Pad1): R56.1 U14.7
Net-(R57-Pad2): R57.2 R58.2 SW14.A
Net-(R60-Pad1): R60.1 U15.7
Net-(R61-Pad1): R61.1 U16.7
Net-(R62-Pad1): R62.1 U17.7
Net-(R63-Pad1): R63.1 U18.7
Net-(R64-Pad1): R64.1 U19.7